# Altium PCB spin5v1_simple.PcbDoc (part 20 of 25) (continued)
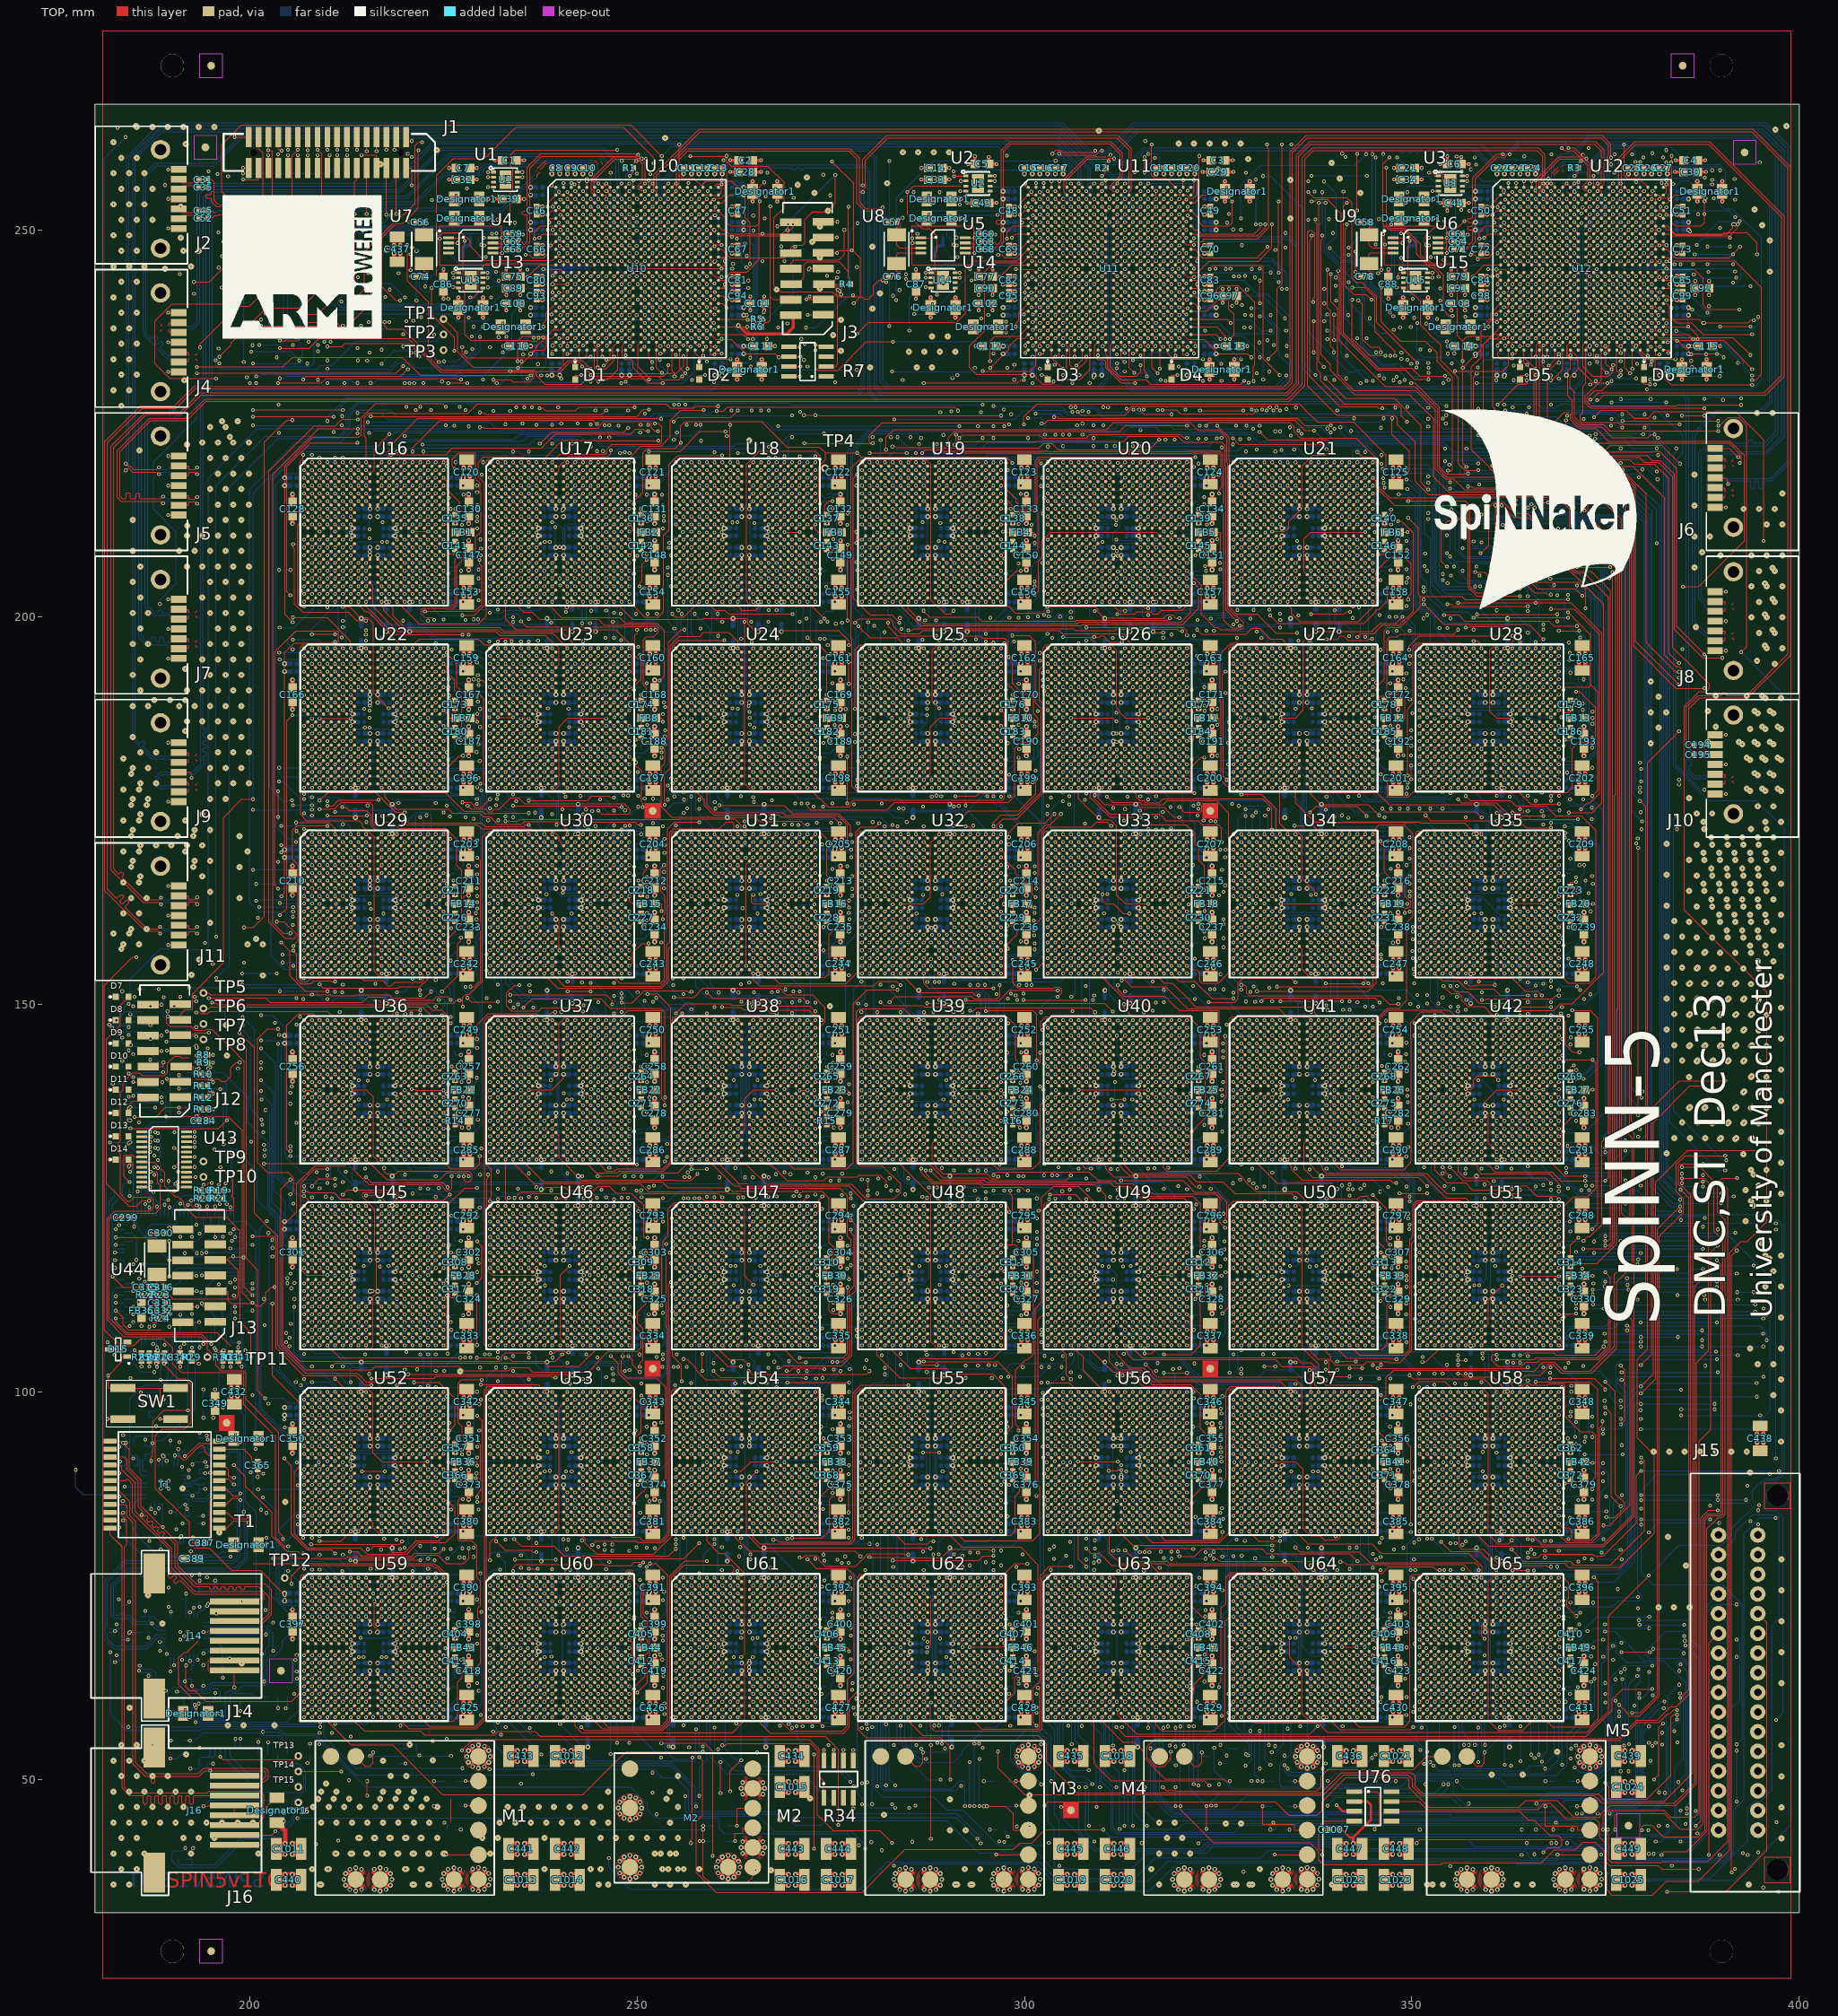
[diagram p0: TOP view]
## Nets (pads, with @x,y where several pads share a name; then routed paths per layer and width w, separated by ;. In a path a pad name is that pad's centre, name@x,y a point inside that pad or via, vN(x,y) a via of type N, cw(c..) or ccw(c..) an arc to the next point about the centre after c; other vN are vias at no path point) (continued)
  other v1: 218,62 219,62 220,62 221,62 242,62 243,62 244,62 245,62 266,62 267,62 268,62 269,62 290,62 291,62 292,62 293,62 314,62 315,62 316,62 317,62 338,62 339,62 340,62 341,62 362,62 363,62 364,62 365,62 218,63 219,63 220,63 221,63 242,63 243,63 244,63 245,63 266,63 267,63 268,63 269,63 290,63 291,63 292,63 293,63 314,63 315,63 316,63 317,63 338,63 339,63 340,63 341,63 362,63 363,63 364,63 365,63 219,64 220,64 221,64 243,64 244,64 245,64 267,64 268,64 269,64 291,64 292,64 293,64 315,64 316,64 317,64 339,64 340,64 341,64 363,64 364,64 365,64 211,65 212,65 213,65 235,65 236,65 237,65 259,65 260,65 261,65 283,65 284,65 285,65 307,65 308,65 309,65 331,65 332,65 333,65 355,65 356,65 357,65 197.371,65.592 219,69 220,69 221,69 243,69 244,69 245,69 267,69 268,69 269,69 291,69 292,69 293,69 315,69 316,69 317,69 339,69 340,69 341,69 363,69 364,69 365,69 211,70 212,70 213,70 235,70 236,70 237,70 259,70 260,70 261,70 283,70 284,70 285,70 307,70 308,70 309,70 331,70 332,70 333,70 355,70 356,70 357,70 211,71 212,71 213,71 214,71 235,71 236,71 237,71 238,71 259,71 260,71 261,71 262,71 283,71 284,71 285,71 286,71 307,71 308,71 309,71 310,71 331,71 332,71 333,71 334,71 355,71 356,71 357,71 358,71 211,72 212,72 213,72 214,72 235,72 236,72 237,72 238,72 259,72 260,72 261,72 262,72 283,72 284,72 285,72 286,72 307,72 308,72 309,72 310,72 331,72 332,72 333,72 334,72 355,72 356,72 357,72 358,72 219,73 218,86 219,86 220,86 221,86 242,86 243,86 244,86 245,86 266,86 267,86 268,86 269,86 290,86 291,86 292,86 293,86 314,86 315,86 316,86 317,86 338,86 339,86 340,86 341,86 362,86 363,86 364,86 365,86 218,87 219,87 220,87 221,87 242,87 243,87 244,87 245,87 266,87 267,87 268,87 269,87 290,87 291,87 292,87 293,87 314,87 315,87 316,87 317,87 338,87 339,87 340,87 341,87 362,87 363,87 364,87 365,87 219,88 220,88 221,88 243,88 244,88 245,88 267,88 268,88 269,88 291,88 292,88 293,88 315,88 316,88 317,88 339,88 340,88 341,88 363,88 364,88 365,88 211,89 212,89 213,89 235,89 236,89 237,89 259,89 260,89 261,89 283,89 284,89 285,89 307,89 308,89 309,89 331,89 332,89 333,89 355,89 356,89 357,89 219,93 220,93 221,93 243,93 244,93 245,93 267,93 268,93 269,93 291,93 292,93 293,93 315,93 316,93 317,93 339,93 340,93 341,93 363,93 364,93 365,93 211,94 212,94 213,94 235,94 236,94 237,94 259,94 260,94 261,94 283,94 284,94 285,94 307,94 308,94 309,94 331,94 332,94 333,94 355,94 356,94 357,94 211,95 212,95 213,95 214,95 235,95 236,95 237,95 238,95 259,95 260,95 261,95 262,95 283,95 284,95 285,95 286,95 307,95 308,95 309,95 310,95 331,95 332,95 333,95 334,95 355,95 356,95 357,95 358,95 211,96 212,96 213,96 214,96 235,96 236,96 237,96 238,96 259,96 260,96 261,96 262,96 283,96 284,96 285,96 286,96 307,96 308,96 309,96 310,96 331,96 332,96 333,96 334,96 355,96 356,96 357,96 358,96 218,110 219,110 220,110 221,110 242,110 243,110 244,110 245,110 266,110 267,110 268,110 269,110 290,110 291,110 292,110 293,110 314,110 315,110 316,110 317,110 338,110 339,110 340,110 341,110 362,110 363,110 364,110 365,110 218,111 219,111 220,111 221,111 242,111 243,111 244,111 245,111 266,111 267,111 268,111 269,111 290,111 291,111 292,111 293,111 314,111 315,111 316,111 317,111 338,111 339,111 340,111 341,111 362,111 363,111 364,111 365,111 219,112 220,112 221,112 243,112 244,112 245,112 267,112 268,112 269,112 291,112 292,112 293,112 315,112 316,112 317,112 339,112 340,112 341,112 363,112 364,112 365,112 211,113 212,113 213,113 235,113 236,113 237,113 259,113 260,113 261,113 283,113 284,113 285,113 307,113 308,113 309,113 331,113 332,113 333,113 355,113 356,113 357,113 219,117 220,117 221,117 243,117 244,117 245,117 267,117 268,117 269,117 291,117 292,117 293,117 315,117 316,117 317,117 339,117 340,117 341,117 363,117 364,117 365,117 211,118 212,118 213,118 235,118 236,118 237,118 259,118 260,118 261,118 283,118 284,118 285,118 307,118 308,118 309,118 331,118 332,118 333,118 355,118 356,118 357,118 211,119 212,119 213,119 214,119 235,119 236,119 237,119 238,119 259,119 260,119 261,119 262,119 283,119 284,119 285,119 286,119 307,119 308,119 309,119 310,119 331,119 332,119 333,119 334,119 355,119 356,119 357,119 358,119 211,120 212,120 213,120 214,120 235,120 236,120 237,120 238,120 259,120 260,120 261,120 262,120 283,120 284,120 285,120 286,120 307,120 308,120 309,120 310,120 331,120 332,120 333,120 334,120 355,120 356,120 357,120 358,120 188.129,128.908 188.129,129.908 188.129,131.408 188.129,132.408 188.129,133.408 218,134 219,134 220,134 221,134 242,134 243,134 244,134 245,134 266,134 267,134 268,134 269,134 290,134 291,134 292,134 293,134 314,134 315,134 316,134 317,134 338,134 339,134 340,134 341,134 362,134 363,134 364,134 365,134 218,135 219,135 220,135 221,135 242,135 243,135 244,135 245,135 266,135 267,135 268,135 269,135 290,135 291,135 292,135 293,135 314,135 315,135 316,135 317,135 338,135 339,135 340,135 341,135 362,135 363,135 364,135 365,135 219,136 220,136 221,136 243,136 244,136 245,136 267,136 268,136 269,136 291,136 292,136 293,136 315,136 316,136 317,136 339,136 340,136 341,136 363,136 364,136 365,136 211,137 212,137 213,137 235,137 236,137 237,137 259,137 260,137 261,137 283,137 284,137 285,137 307,137 308,137 309,137 331,137 332,137 333,137 355,137 356,137 357,137 219,141 220,141 221,141 243,141 244,141 245,141 267,141 268,141 269,141 291,141 292,141 293,141 315,141 316,141 317,141 339,141 340,141 341,141 363,141 364,141 365,141 211,142 212,142 213,142 235,142 236,142 237,142 259,142 260,142 261,142 283,142 284,142 285,142 307,142 308,142 309,142 331,142 332,142 333,142 355,142 356,142 357,142 211,143 212,143 213,143 214,143 235,143 236,143 237,143 238,143 259,143 260,143 261,143 262,143 283,143 284,143 285,143 286,143 307,143 308,143 309,143 310,143 331,143 332,143 333,143 334,143 355,143 356,143 357,143 358,143 211,144 212,144 213,144 214,144 235,144 236,144 237,144 238,144 259,144 260,144 261,144 262,144 283,144 284,144 285,144 286,144 307,144 308,144 309,144 310,144 331,144 332,144 333,144 334,144 355,144 356,144 357,144 358,144 218,158 219,158 220,158 221,158 242,158 243,158 244,158 245,158 266,158 267,158 268,158 269,158 290,158 291,158 292,158 293,158 314,158 315,158 316,158 317,158 338,158 339,158 340,158 341,158 362,158 363,158 364,158 365,158 218,159 219,159 220,159 221,159 242,159 243,159 244,159 245,159 266,159 267,159 268,159 269,159 290,159 291,159 292,159 293,159 314,159 315,159 316,159 317,159 338,159 339,159 340,159 341,159 362,159 363,159 364,159 365,159 219,160 220,160 221,160 243,160 244,160 245,160 267,160 268,160 269,160 291,160 292,160 293,160 315,160 316,160 317,160 339,160 340,160 341,160 363,160 364,160 365,160 211,161 212,161 213,161 235,161 236,161 237,161 259,161 260,161 261,161 283,161 284,161 285,161 307,161 308,161 309,161 331,161 332,161 333,161 355,161 356,161 357,161 219,165 220,165 221,165 243,165 244,165 245,165 267,165 268,165 269,165 291,165 292,165 293,165 315,165 316,165 317,165 339,165 340,165 341,165 363,165 364,165 365,165 211,166 212,166 213,166 235,166 236,166 237,166 259,166 260,166 261,166 283,166 284,166 285,166 307,166 308,166 309,166 331,166 332,166 333,166 355,166 356,166 357,166 211,167 212,167 213,167 214,167 235,167 236,167 237,167 238,167 259,167 260,167 261,167 262,167 283,167 284,167 285,167 286,167 307,167 308,167 309,167 310,167 331,167 332,167 333,167 334,167 355,167 356,167 357,167 358,167 211,168 212,168 213,168 214,168 235,168 236,168 237,168 238,168 259,168 260,168 261,168 262,168 283,168 284,168 285,168 286,168 307,168 308,168 309,168 310,168 331,168 332,168 333,168 334,168 355,168 356,168 357,168 358,168 218,182 219,182 220,182 221,182 242,182 243,182 244,182 245,182 266,182 267,182 268,182 269,182 290,182 291,182 292,182 293,182 314,182 315,182 316,182 317,182 338,182 339,182 340,182 341,182 362,182 363,182 364,182 365,182 218,183 219,183 220,183 221,183 242,183 243,183 244,183 245,183 266,183 267,183 268,183 269,183 290,183 291,183 292,183 293,183 314,183 315,183 316,183 317,183 338,183 339,183 340,183 341,183 362,183 363,183 364,183 365,183 219,184 220,184 221,184 243,184 244,184 245,184 267,184 268,184 269,184 291,184 292,184 293,184 315,184 316,184 317,184 339,184 340,184 341,184 363,184 364,184 365,184 211,185 212,185 213,185 235,185 236,185 237,185 259,185 260,185 261,185 283,185 284,185 285,185 307,185 308,185 309,185 331,185 332,185 333,185 355,185 356,185 357,185 219,189 220,189 221,189 243,189 244,189 245,189 267,189 268,189 269,189 291,189 292,189 293,189 315,189 316,189 317,189 339,189 340,189 341,189 363,189 364,189 365,189 211,190 212,190 213,190 235,190 236,190 237,190 259,190 260,190 261,190 283,190 284,190 285,190 307,190 308,190 309,190 331,190 332,190 333,190 355,190 356,190 357,190 211,191 212,191 213,191 214,191 235,191 236,191 237,191 238,191 259,191 260,191 261,191 262,191 283,191 284,191 285,191 286,191 307,191 308,191 309,191 310,191 331,191 332,191 333,191 334,191 355,191 356,191 357,191 358,191 211,192 212,192 213,192 214,192 235,192 236,192 237,192 238,192 259,192 260,192 261,192 262,192 283,192 284,192 285,192 286,192 307,192 308,192 309,192 310,192 331,192 332,192 333,192 334,192 355,192 356,192 357,192 358,192 218,206 219,206 220,206 221,206 242,206 243,206 244,206 245,206 266,206 267,206 268,206 269,206 290,206 291,206 292,206 293,206 314,206 315,206 316,206 317,206 338,206 339,206 340,206 341,206 218,207 219,207 220,207 221,207 242,207 243,207 244,207 245,207 266,207 267,207 268,207 269,207 290,207 291,207 292,207 293,207 314,207 315,207 316,207 317,207 338,207 339,207 340,207 341,207 219,208 220,208 221,208 243,208 244,208 245,208 267,208 268,208 269,208 291,208 292,208 293,208 315,208 316,208 317,208 339,208 340,208 341,208 211,209 212,209 213,209 235,209 236,209 237,209 259,209 260,209 261,209 283,209 284,209 285,209 307,209 308,209 309,209 331,209 332,209 333,209 219,213 220,213 221,213 243,213 244,213 245,213 267,213 268,213 269,213 291,213 292,213 293,213 315,213 316,213 317,213 339,213 340,213 341,213 211,214 212,214 213,214 235,214 236,214 237,214 259,214 260,214 261,214 283,214 284,214 285,214 307,214 308,214 309,214 331,214 332,214 333,214 211,215 212,215 213,215 214,215 235,215 236,215 237,215 238,215 259,215 260,215 261,215 262,215 283,215 284,215 285,215 286,215 307,215 308,215 309,215 310,215 331,215 332,215 333,215 334,215 211,216 212,216 213,216 214,216 235,216 236,216 237,216 238,216 259,216 260,216 261,216 262,216 283,216 284,216 285,216 286,216 307,216 308,216 309,216 310,216 331,216 332,216 333,216 334,216 375.297,230.23 376.801,231.092 375.2,231.554 376,232.554 373.951,232.954 370.5,233.826 375,234.065 372.951,234.901 378.931,234.901 373,236 243,237 304,237 365,237 373,237 246,238 251,238 255,238 307,238 312,238 316,238 368,238 373,238 377,238 243,239 257,239 304,239 318,239 365,239 379,239 247,240 252,240 308,240 313,240 369,240 374,240 243,243 257,243 304,243 318,243 365,243 379,243 245,246 255,246 260.07,246 306,246 316,246 367,246 377,246 382.07,246 243,248 257,248 304,248 318,248 365,248 379,248 248,250 253,250 259.916,250 309,250 314,250 370,250 375,250 381.916,250 242,251 244,251 303,251 305,251 364,251 366,251 256,252 258,252 317,252 319,252 378,252 380,252 242,255 256,255 258,255 303,255 318,255 319,255 364,255 380,255
  other v2: 336.515,35.578 335.759,35.781 337.271,35.781 337.824,36.334 338.027,37.09 337.824,37.846 335.759,38.399 337.271,38.399 336.515,38.602 243.624,54.143 254.624,54.143 266.624,54.143 290.624,54.143 314.624,54.143 338.624,54.143 362.624,54.143 243.624,57.957 254.624,57.957 266.624,57.957 290.624,57.957 314.624,57.957 338.624,57.957 362.624,57.957 227.51,58 251.51,58 275.51,58 299.51,58 323.51,58 347.51,58 371.51,58 227.6,58.757 228.4,58.757 251.6,58.757 252.4,58.757 275.6,58.757 276.4,58.757 299.6,58.757 300.4,58.757 323.6,58.757 324.4,58.757 347.6,58.757 348.4,58.757 371.6,58.757 372.4,58.757 227.51,59 251.51,59 275.51,59 299.51,59 323.51,59 347.51,59 371.51,59 218.76,66.5 242.76,66.5 285.24,66.5 290.76,66.5 309.24,66.5 314.76,66.5 333.24,66.5 338.76,66.5 362.76,66.5 213.24,67.5 237.24,67.5 261.24,67.5 285.24,67.5 290.76,67.5 309.24,67.5 314.76,67.5 333.24,67.5 357.24,67.5 264.49,70 227.51,73 251.51,73 275.51,73 299.51,73 323.51,73 347.51,73 204.49,74 227.51,74 251.51,74 275.51,74 299.51,74 323.51,74 347.51,74 218.376,76.043 242.376,76.043 266.376,76.043 290.376,76.043 314.376,76.043 338.376,76.043 358.376,76.043 213.624,78.143 237.624,78.143 261.624,78.143 285.624,78.143 309.624,78.143 333.624,78.143 361.624,78.143 218.376,79.857 242.376,79.857 266.376,79.857 290.376,79.857 314.376,79.857 338.376,79.857 358.376,79.857 213.624,81.957 237.624,81.957 261.624,81.957 285.624,81.957 309.624,81.957 333.624,81.957 361.624,81.957 227.51,82 251.51,82 275.51,82 299.51,82 323.51,82 347.51,82 371.51,82 227.6,82.757 228.4,82.757 251.6,82.757 252.4,82.757 275.6,82.757 276.4,82.757 299.6,82.757 300.4,82.757 323.6,82.757 324.4,82.757 347.6,82.757 348.4,82.757 371.6,82.757 372.4,82.757 227.51,83 251.51,83 275.51,83 299.51,83 323.51,83 347.51,83 371.51,83 213.24,90.5 218.76,90.5 242.76,90.5 266.76,90.5 290.76,90.5 314.76,90.5 338.76,90.5 362.76,90.5 213.24,91.5 218.76,91.5 237.24,91.5 242.76,91.5 261.24,91.5 285.24,91.5 290.76,91.5 309.24,91.5 314.76,91.5 333.24,91.5 357.24,91.5 362.76,91.5 227.51,97 251.51,97 275.51,97 299.51,97 323.51,97 347.51,97 204.49,98 227.51,98 251.51,98 275.51,98 299.51,98 323.51,98 347.51,98 214.376,100.043 238.376,100.043 262.376,100.043 286.376,100.043 310.376,100.043 334.376,100.043 362.376,100.043 217.624,102.143 241.624,102.143 265.624,102.143 289.624,102.143 313.624,102.143 337.624,102.143 357.624,102.143 214.376,103.857 238.376,103.857 262.376,103.857 286.376,103.857 310.376,103.857 334.376,103.857 362.376,103.857 217.624,105.957 241.624,105.957 265.624,105.957 289.624,105.957 313.624,105.957 337.624,105.957 357.624,105.957 227.51,106 251.51,106 275.51,106 299.51,106 323.51,106 347.51,106 371.51,106 227.6,106.757 228.4,106.757 251.6,106.757 252.4,106.757 275.6,106.757 276.4,106.757 299.6,106.757 300.4,106.757 323.6,106.757 324.4,106.757 347.6,106.757 348.4,106.757 371.6,106.757 372.4,106.757 227.51,107 251.51,107 275.51,107 299.51,107 323.51,107 347.51,107 371.51,107 213.24,114.5 218.76,114.5 242.76,114.5 261.24,114.5 266.76,114.5 290.76,114.5 309.24,114.5 314.76,114.5 333.24,114.5 338.76,114.5 357.24,114.5 362.76,114.5 213.24,115.5 237.24,115.5 261.24,115.5 285.24,115.5 290.76,115.5 309.24,115.5 333.24,115.5 338.76,115.5 357.24,115.5 204.49,121 227.51,121 251.51,121 275.51,121 299.51,121 323.51,121 347.51,121 204.49,122 227.51,122 251.51,122 275.51,122 299.51,122 323.51,122 347.51,122 218.376,124.043 242.376,124.043 266.376,124.043 290.376,124.043 314.376,124.043 338.376,124.043 358.376,124.043 213.624,126.143 237.624,126.143 261.624,126.143 285.624,126.143 309.624,126.143 333.624,126.143 361.624,126.143 218.376,127.857 242.376,127.857 266.376,127.857 290.376,127.857 314.376,127.857 338.376,127.857 358.376,127.857 213.624,129.957 237.624,129.957 261.624,129.957 285.624,129.957 309.624,129.957 333.624,129.957 361.624,129.957 227.51,130 251.51,130 275.51,130 299.51,130 323.51,130 347.51,130 371.51,130 227.6,130.757 228.4,130.757 251.6,130.757 252.4,130.757 275.6,130.757 276.4,130.757 299.6,130.757 300.4,130.757 323.6,130.757 324.4,130.757 347.6,130.757 348.4,130.757 371.6,130.757 372.4,130.757 227.51,131 251.51,131 275.51,131 299.51,131 323.51,131 347.51,131 371.51,131 213.24,138.5 218.76,138.5 237.24,138.5 242.76,138.5 266.76,138.5 290.76,138.5 314.76,138.5 338.76,138.5 362.76,138.5 213.24,139.5 237.24,139.5 261.24,139.5 285.24,139.5 290.76,139.5 309.24,139.5 333.24,139.5 357.24,139.5 204.49,145 227.51,145 251.51,145 275.51,145 299.51,145 323.51,145 347.51,145 204.49,146 227.51,146 251.51,146 275.51,146 299.51,146 323.51,146 347.51,146 214.376,148.043 238.376,148.043 262.376,148.043 286.376,148.043 310.376,148.043 334.376,148.043 362.376,148.043 217.624,150.143 241.624,150.143 265.624,150.143 289.624,150.143 313.624,150.143 337.624,150.143 357.624,150.143 214.376,151.857 238.376,151.857 262.376,151.857 286.376,151.857 310.376,151.857 334.376,151.857 362.376,151.857 217.624,153.957 241.624,153.957 265.624,153.957 289.624,153.957 313.624,153.957 337.624,153.957 357.624,153.957 227.51,154 251.51,154 275.51,154 299.51,154 323.51,154 347.51,154 371.51,154 227.6,154.757 228.4,154.757 251.6,154.757 252.4,154.757 275.6,154.757 276.4,154.757 299.6,154.757 300.4,154.757 323.6,154.757 324.4,154.757 347.6,154.757 348.4,154.757 371.6,154.757 372.4,154.757 227.51,155 251.51,155 275.51,155 299.51,155 323.51,155 347.51,155 371.51,155 213.24,162.5 218.76,162.5 242.76,162.5 266.76,162.5 285.24,162.5 290.76,162.5 309.24,162.5 314.76,162.5 333.24,162.5 338.76,162.5 357.24,162.5 362.76,162.5 213.24,163.5 237.24,163.5 261.24,163.5 266.76,163.5 285.24,163.5 309.24,163.5 314.76,163.5 333.24,163.5 357.24,163.5 362.76,163.5 204.49,169 227.51,169 251.51,169 275.51,169 299.51,169 323.51,169 347.51,169 204.49,170 227.51,170 251.51,170 275.51,170 299.51,170 323.51,170 347.51,170 218.376,172.043 242.376,172.043 266.376,172.043 290.376,172.043 314.376,172.043 338.376,172.043 358.376,172.043 213.624,174.143 237.624,174.143 261.624,174.143 285.624,174.143 309.624,174.143 333.624,174.143 361.624,174.143 218.376,175.857 242.376,175.857 266.376,175.857 290.376,175.857 314.376,175.857 338.376,175.857 358.376,175.857 213.624,177.957 237.624,177.957 261.624,177.957 285.624,177.957 309.624,177.957 333.624,177.957 361.624,177.957 227.51,178 251.51,178 275.51,178 299.51,178 323.51,178 347.51,178 371.51,178 227.6,178.757 228.4,178.757 251.6,178.757 252.4,178.757 275.6,178.757 276.4,178.757 299.6,178.757 300.4,178.757 323.6,178.757 324.4,178.757 347.6,178.757 348.4,178.757 371.6,178.757 372.4,178.757 227.51,179 251.51,179 275.51,179 299.51,179 323.51,179 347.51,179 371.51,179 213.24,186.5 218.76,186.5 242.76,186.5 266.76,186.5 290.76,186.5 309.24,186.5 314.76,186.5 333.24,186.5 338.76,186.5 362.76,186.5 213.24,187.5 218.76,187.5 237.24,187.5 261.24,187.5 285.24,187.5 290.76,187.5 309.24,187.5 333.24,187.5 357.24,187.5 204.49,193 227.51,193 251.51,193 275.51,193 299.51,193 323.51,193 347.51,193 204.49,194 227.51,194 251.51,194 275.51,194 299.51,194 323.51,194 347.51,194 214.376,196.043 238.376,196.043 262.376,196.043 286.376,196.043 310.376,196.043 334.376,196.043 362.376,196.043 217.624,198.143 220.624,198.143 241.624,198.143 244.624,198.143 265.624,198.143 268.624,198.143 289.624,198.143 292.624,198.143 313.624,198.143 316.624,198.143 337.624,198.143 340.624,198.143 214.376,199.857 238.376,199.857 262.376,199.857 286.376,199.857 310.376,199.857 334.376,199.857 362.376,199.857 217.624,201.957 220.624,201.957 241.624,201.957 244.624,201.957 265.624,201.957 268.624,201.957 289.624,201.957 292.624,201.957 313.624,201.957 316.624,201.957 337.624,201.957 340.624,201.957 227.51,202 251.51,202 275.51,202 299.51,202 323.51,202 347.51,202 227.6,202.757 228.4,202.757 251.6,202.757 252.4,202.757 275.6,202.757 276.4,202.757 299.6,202.757 300.4,202.757 323.6,202.757 324.4,202.757 347.6,202.757 348.4,202.757 227.51,203 251.51,203 275.51,203 299.51,203 323.51,203 347.51,203 218.76,210.5 242.76,210.5 266.76,210.5 290.76,210.5 309.24,210.5 314.76,210.5 333.24,210.5 338.76,210.5 213.24,211.5 218.76,211.5 237.24,211.5 261.24,211.5 266.76,211.5 285.24,211.5 290.76,211.5 309.24,211.5 333.24,211.5 204.49,217 227.51,217 251.51,217 275.51,217 299.51,217 323.51,217 204.49,218 227.51,218 251.51,218 275.51,218 299.51,218 323.51,218 239,231.24 240,231.24 248,231.24 249,231.24 260,231.24 300,231.24 301,231.24 309,231.24 310,231.24 321,231.24 361,231.24 362,231.24 370,231.24 371,231.24 382,231.24 383,231.24 263.76,234 324.76,234 385.76,234 236.24,235 297.24,235 324.76,235 358.24,235 263.76,239 324.76,239 385.76,239 236.24,240 297.24,240 358.24,240 385.76,240 236.24,250 263.76,250 297.24,250 324.76,250 358.24,250 385.76,250 236.24,251 263.76,251 297.24,251 358.24,251 297.24,254 324.76,254 358.24,254 385.76,254 236.24,254.5 263.76,254.5 297.24,255 358.24,255 236.24,255.5 263.76,255.5
V25: C61.1 C72.1 C73.1 C79.1 C91.1 C92.1 C98.1 C99.1 R37.1 U6.8 U12.F11 U12.G12 U12.H9 U12.H15 U12.K15 U12.L8 U12.M15 U12.N8 U12.R6 U12.R10 U12.R12 U12.U11 U12.V6 U15.7 U15.8 | length 10.2
  TOP w0.127: U15.7@352.05,243.825 v1(352.675,243.825) ; U15.8@352.05,244.475 v1(352.675,244.475) ; U6.8@353.375,248.975 v1(354.556,248.975)
  TOP w0.2: v1(354.758,249.6) 354.8,249.6 354.9,249.5 C61.1@355.47,249.5
  TOP w0.4: v1(356.9,241.6) C91.1@356.9,242.5 ; C79.1@356.9,244 v1(356.9,245) ; v1(386.6,241.6) C92.1@386.6,242.5 v1(386.6,243.4)
  TOP w0.6: v1(352.1,238.7) 352.1,240 v1(352.1,241.3)
  TOP w0.61: v2(359.76,241) v2@359.762,241 ; v2(359.76,247) v2@359.762,247 ; v2@384.238,242 v2(384.24,242) ; v2@384.238,248 v2(384.24,248)
  BOTTOM w0.127: 351.53,249 v1(352.232,249)
  other v1: 366,238 371,239 366,241 370,241 373,241 368,243 376,244 368,246 376,247 351.871,248.092 369,249 376,249 373,250 371,251
V25_3: C60.1 C69.1 C70.1 C77.1 C90.1 C95.1 C96.1 C97.1 R38.1 U5.8 U11.F11 U11.G12 U11.H9 U11.H15 U11.K15 U11.L8 U11.M15 U11.N8 U11.R6 U11.R10 U11.R12 U11.U11 U11.V6 U14.7 U14.8 | length 13.3
  TOP w0.127: U14.7@291.05,243.825 v1(291.675,243.825) ; U14.8@291.05,244.475 v1(291.675,244.475) ; U5.8@292.375,248.975 v1(293.556,248.975)
  TOP w0.2: v1(293.758,249.6) 293.8,249.6 293.9,249.5 C60.1@294.47,249.5
  TOP w0.4: v1(295.9,241.6) C90.1@295.9,242.5 ; C77.1@295.9,244 v1(295.9,245) ; v1(325.6,240.6) C97.1@325.6,241.5 v1(325.6,242.4)
  TOP w0.6: v1(291.1,238.7) 291.1,240 v1(291.1,241.3)
  TOP w0.61: v2(298.76,241) v2@298.762,241 ; v2(298.76,247) v2@298.762,247 ; v2@323.238,242 v2(323.24,242) ; v2@323.238,248 v2(323.24,248)
  BOTTOM w0.127: 290.53,249 290.004,249 290.004,249.888 290.401,250.285 290.835,250.285 291.232,249.888 v1(291.232,249.02)
  other v1: 305,238 310,239 305,241 309,241 312,241 307,243 315,244 307,246 315,247 290.871,248.092 308,249 315,249 312,250 310,251
V25_4: C59.1 C66.1 C67.1 C75.1 C89.1 C93.1 C94.1 C101.1 J3.2 R5.1 R6.1 R39.1 U4.8 U10.F11 U10.G12 U10.H9 U10.H15 U10.K15 U10.L8 U10.M15 U10.N8 U10.R6 U10.R10 U10.R12 U10.U11 U10.V6 U13.7 U13.8 | length 21.4
  TOP w0.127: U13.7@230.05,243.825 v1(230.675,243.825) ; U13.8@230.05,244.475 v1(230.675,244.475) ; U4.8@231.375,248.975 v1(232.556,248.975) ; v1(264.211,237.5) R6.1@264.97,237.5 ; v1(264.268,238.387) 264.97,238.387 R5.1@264.97,238.5
  TOP w0.2: v1(232.758,249.6) 232.8,249.6 232.9,249.5 C59.1@233.47,249.5
  TOP w0.4: v1(234.9,241.6) C89.1@234.9,242.5 ; C75.1@234.9,244 v1(234.9,245) ; v2(263.058,237.681) 264.175,236.564 269.307,236.564 270.148,237.405 270.148,238.692 J3.2@269.84,239 ; v1(264.6,239.6) C101.1@264.6,240.5 v1(264.6,241.4)
  TOP w0.6: v1(230.1,238.7) 230.1,240 v1(230.1,241.3)
  TOP w0.61: v2(237.76,241) v2@237.762,241 ; v2(237.76,247) v2@237.762,247 ; v2@262.238,242 v2(262.24,242) ; v2@262.238,248 v2(262.24,248)
  BOTTOM w0.127: 229.53,249 v1(230.232,249)
  other v1: 244,238 249,239 266.371,239.408 244,241 248,241 251,241 246,243 254,244 246,246 254,247 229.871,248.092 247,249 254,249 251,250 249,251
V25_ICS: C462.1 C465.1 R37.2 U6.1 | length 3.3
  BOTTOM w0.4: 349.6,246.5 349.5,246.6 349.5,247.6 349.9,248 350.47,248 350.47,249
V25_ICS_1: C464.1 C467.1 R39.2 U4.1 | length 3.3
  BOTTOM w0.4: 227.6,246.5 227.5,246.6 227.5,247.6 227.9,248 228.47,248 228.47,249
V25_ICS_2: C463.1 C466.1 R38.2 U5.1 | length 3.3
  BOTTOM w0.4: 288.6,246.5 288.5,246.6 288.5,247.6 288.9,248 289.47,248 289.47,249

## Text inside footprints (layer, text, board x,y; h text height)
C803: PIN_NUMBER "1" at 309.72,117.23 h0.8 r180; PIN_NUMBER "2" at 309.66,118.38 h0.8 r180
C804: PIN_NUMBER "1" at 289,117.77 h0.8; PIN_NUMBER "2" at 289.06,116.62 h0.8
C805: PIN_NUMBER "1" at 285.72,117.23 h0.8 r180; PIN_NUMBER "2" at 285.66,118.38 h0.8 r180
C806: PIN_NUMBER "1" at 265,117.77 h0.8; PIN_NUMBER "2" at 265.06,116.62 h0.8
C807: PIN_NUMBER "1" at 261.72,117.23 h0.8 r180; PIN_NUMBER "2" at 261.66,118.38 h0.8 r180
C808: PIN_NUMBER "1" at 241,117.77 h0.8; PIN_NUMBER "2" at 241.06,116.62 h0.8
C809: PIN_NUMBER "1" at 237.72,117.23 h0.8 r180; PIN_NUMBER "2" at 237.66,118.38 h0.8 r180
C810: PIN_NUMBER "1" at 217,117.77 h0.8; PIN_NUMBER "2" at 217.06,116.62 h0.8
C811: PIN_NUMBER "1" at 213.72,117.23 h0.8 r180; PIN_NUMBER "2" at 213.66,118.38 h0.8 r180
C812: PIN_NUMBER "1" at 360.97,114.73 h0.8 r180; PIN_NUMBER "2" at 360.91,115.88 h0.8 r180
C813: PIN_NUMBER "1" at 357.75,115.27 h0.8; PIN_NUMBER "2" at 357.81,114.12 h0.8
C814: PIN_NUMBER "1" at 336.97,114.73 h0.8 r180; PIN_NUMBER "2" at 336.91,115.88 h0.8 r180
C815: PIN_NUMBER "1" at 333.75,115.27 h0.8; PIN_NUMBER "2" at 333.81,114.12 h0.8
C816: PIN_NUMBER "1" at 312.97,114.73 h0.8 r180; PIN_NUMBER "2" at 312.91,115.88 h0.8 r180
C817: PIN_NUMBER "1" at 309.75,115.27 h0.8; PIN_NUMBER "2" at 309.81,114.12 h0.8
C818: PIN_NUMBER "1" at 288.97,114.73 h0.8 r180; PIN_NUMBER "2" at 288.91,115.88 h0.8 r180
C819: PIN_NUMBER "1" at 285.75,115.27 h0.8; PIN_NUMBER "2" at 285.81,114.12 h0.8
C820: PIN_NUMBER "1" at 264.97,114.73 h0.8 r180; PIN_NUMBER "2" at 264.91,115.88 h0.8 r180
C821: PIN_NUMBER "1" at 261.75,115.27 h0.8; PIN_NUMBER "2" at 261.81,114.12 h0.8
C822: PIN_NUMBER "1" at 240.97,114.73 h0.8 r180; PIN_NUMBER "2" at 240.91,115.88 h0.8 r180
C823: PIN_NUMBER "1" at 237.75,115.27 h0.8; PIN_NUMBER "2" at 237.81,114.12 h0.8
C824: PIN_NUMBER "1" at 216.97,114.73 h0.8 r180; PIN_NUMBER "2" at 216.91,115.88 h0.8 r180
C825: PIN_NUMBER "1" at 213.75,115.27 h0.8; PIN_NUMBER "2" at 213.81,114.12 h0.8
C826: PIN_NUMBER "1" at 361,112.77 h0.8; PIN_NUMBER "2" at 361.06,111.62 h0.8
C827: PIN_NUMBER "1" at 357.72,112.23 h0.8 r180; PIN_NUMBER "2" at 357.66,113.38 h0.8 r180
C828: PIN_NUMBER "1" at 337,112.77 h0.8; PIN_NUMBER "2" at 337.06,111.62 h0.8
C829: PIN_NUMBER "1" at 333.72,112.23 h0.8 r180; PIN_NUMBER "2" at 333.66,113.38 h0.8 r180
C830: PIN_NUMBER "1" at 313,112.77 h0.8; PIN_NUMBER "2" at 313.06,111.62 h0.8
C831: PIN_NUMBER "1" at 309.72,112.23 h0.8 r180; PIN_NUMBER "2" at 309.66,113.38 h0.8 r180
C832: PIN_NUMBER "1" at 289,112.77 h0.8; PIN_NUMBER "2" at 289.06,111.62 h0.8
C833: PIN_NUMBER "1" at 285.72,112.23 h0.8 r180; PIN_NUMBER "2" at 285.66,113.38 h0.8 r180
C834: PIN_NUMBER "1" at 265,112.77 h0.8; PIN_NUMBER "2" at 265.06,111.62 h0.8
C835: PIN_NUMBER "1" at 261.72,112.23 h0.8 r180; PIN_NUMBER "2" at 261.66,113.38 h0.8 r180
C836: PIN_NUMBER "1" at 241,112.77 h0.8; PIN_NUMBER "2" at 241.06,111.62 h0.8
C837: PIN_NUMBER "1" at 237.72,112.23 h0.8 r180; PIN_NUMBER "2" at 237.66,113.38 h0.8 r180
C838: PIN_NUMBER "1" at 217,112.77 h0.8; PIN_NUMBER "2" at 217.06,111.62 h0.8
C839: PIN_NUMBER "1" at 213.72,112.23 h0.8 r180; PIN_NUMBER "2" at 213.66,113.38 h0.8 r180
C840: PIN_NUMBER "1" at 369.72,106.23 h0.8 r180; PIN_NUMBER "2" at 369.66,107.38 h0.8 r180
C841: PIN_NUMBER "1" at 345.72,106.23 h0.8 r180; PIN_NUMBER "2" at 345.66,107.38 h0.8 r180
C842: PIN_NUMBER "1" at 321.72,106.23 h0.8 r180; PIN_NUMBER "2" at 321.66,107.38 h0.8 r180
C843: PIN_NUMBER "1" at 297.72,106.23 h0.8 r180; PIN_NUMBER "2" at 297.66,107.38 h0.8 r180
C844: PIN_NUMBER "1" at 273.72,106.23 h0.8 r180; PIN_NUMBER "2" at 273.66,107.38 h0.8 r180
C845: PIN_NUMBER "1" at 249.72,106.23 h0.8 r180; PIN_NUMBER "2" at 249.66,107.38 h0.8 r180
C846: PIN_NUMBER "1" at 225.72,106.23 h0.8 r180; PIN_NUMBER "2" at 225.66,107.38 h0.8 r180
C847: PIN_NUMBER "1" at 357.98,103.9 h0.8; PIN_NUMBER "2" at 358.01,102.1 h0.8
C848: PIN_NUMBER "1" at 337.98,103.9 h0.8; PIN_NUMBER "2" at 338.01,102.1 h0.8
C849: PIN_NUMBER "1" at 313.98,103.9 h0.8; PIN_NUMBER "2" at 314.01,102.1 h0.8
C850: PIN_NUMBER "1" at 289.98,103.9 h0.8; PIN_NUMBER "2" at 290.01,102.1 h0.8
C851: PIN_NUMBER "1" at 265.98,103.9 h0.8; PIN_NUMBER "2" at 266.01,102.1 h0.8
C852: PIN_NUMBER "1" at 241.98,103.9 h0.8; PIN_NUMBER "2" at 242.01,102.1 h0.8
C853: PIN_NUMBER "1" at 217.98,103.9 h0.8; PIN_NUMBER "2" at 218.01,102.1 h0.8
C854: PIN_NUMBER "1" at 360.74,102.1 h0.8 r180; PIN_NUMBER "2" at 360.71,103.9 h0.8 r180
C855: PIN_NUMBER "1" at 332.74,102.1 h0.8 r180; PIN_NUMBER "2" at 332.71,103.9 h0.8 r180
C856: PIN_NUMBER "1" at 308.74,102.1 h0.8 r180; PIN_NUMBER "2" at 308.71,103.9 h0.8 r180
C857: PIN_NUMBER "1" at 284.74,102.1 h0.8 r180; PIN_NUMBER "2" at 284.71,103.9 h0.8 r180
C858: PIN_NUMBER "1" at 260.74,102.1 h0.8 r180; PIN_NUMBER "2" at 260.71,103.9 h0.8 r180
C859: PIN_NUMBER "1" at 236.74,102.1 h0.8 r180; PIN_NUMBER "2" at 236.71,103.9 h0.8 r180
C860: PIN_NUMBER "1" at 212.74,102.1 h0.8 r180; PIN_NUMBER "2" at 212.71,103.9 h0.8 r180
C861: PIN_NUMBER "1" at 193.98,99.4 h0.8; PIN_NUMBER "2" at 194.01,97.6 h0.8
C862: PIN_NUMBER "1" at 182.96,99.12 h0.8 r90; PIN_NUMBER "2" at 184.76,99.15 h0.8 r90
C863: PIN_NUMBER "1" at 345.72,97.23 h0.8 r180; PIN_NUMBER "2" at 345.66,98.38 h0.8 r180
C864: PIN_NUMBER "1" at 321.72,97.23 h0.8 r180; PIN_NUMBER "2" at 321.66,98.38 h0.8 r180
C865: PIN_NUMBER "1" at 297.72,97.23 h0.8 r180; PIN_NUMBER "2" at 297.66,98.38 h0.8 r180
C866: PIN_NUMBER "1" at 273.72,97.23 h0.8 r180; PIN_NUMBER "2" at 273.66,98.38 h0.8 r180
C867: PIN_NUMBER "1" at 249.72,97.23 h0.8 r180; PIN_NUMBER "2" at 249.66,98.38 h0.8 r180
C868: PIN_NUMBER "1" at 225.72,97.23 h0.8 r180; PIN_NUMBER "2" at 225.66,98.38 h0.8 r180
C869: PIN_NUMBER "1" at 205,97.77 h0.8; PIN_NUMBER "2" at 205.06,96.62 h0.8
C870: PIN_NUMBER "1" at 361,93.77 h0.8; PIN_NUMBER "2" at 361.06,92.62 h0.8
C871: PIN_NUMBER "1" at 357.72,93.23 h0.8 r180; PIN_NUMBER "2" at 357.66,94.38 h0.8 r180
C872: PIN_NUMBER "1" at 337,93.77 h0.8; PIN_NUMBER "2" at 337.06,92.62 h0.8
C873: PIN_NUMBER "1" at 333.72,93.23 h0.8 r180; PIN_NUMBER "2" at 333.66,94.38 h0.8 r180
C874: PIN_NUMBER "1" at 313,93.77 h0.8; PIN_NUMBER "2" at 313.06,92.62 h0.8
C875: PIN_NUMBER "1" at 309.72,93.23 h0.8 r180; PIN_NUMBER "2" at 309.66,94.38 h0.8 r180
C876: PIN_NUMBER "1" at 289,93.77 h0.8; PIN_NUMBER "2" at 289.06,92.62 h0.8
C877: PIN_NUMBER "1" at 285.72,93.23 h0.8 r180; PIN_NUMBER "2" at 285.66,94.38 h0.8 r180
C878: PIN_NUMBER "1" at 265,93.77 h0.8; PIN_NUMBER "2" at 265.06,92.62 h0.8
C879: PIN_NUMBER "1" at 261.72,93.23 h0.8 r180; PIN_NUMBER "2" at 261.66,94.38 h0.8 r180
C880: PIN_NUMBER "1" at 241,93.77 h0.8; PIN_NUMBER "2" at 241.06,92.62 h0.8
C881: PIN_NUMBER "1" at 237.72,93.23 h0.8 r180; PIN_NUMBER "2" at 237.66,94.38 h0.8 r180
C882: PIN_NUMBER "1" at 217,93.77 h0.8; PIN_NUMBER "2" at 217.06,92.62 h0.8
C883: PIN_NUMBER "1" at 213.72,93.23 h0.8 r180; PIN_NUMBER "2" at 213.66,94.38 h0.8 r180
C884: PIN_NUMBER "1" at 360.97,90.73 h0.8 r180; PIN_NUMBER "2" at 360.91,91.88 h0.8 r180
C885: PIN_NUMBER "1" at 357.75,91.27 h0.8; PIN_NUMBER "2" at 357.81,90.12 h0.8
C886: PIN_NUMBER "1" at 336.97,90.73 h0.8 r180; PIN_NUMBER "2" at 336.91,91.88 h0.8 r180
C887: PIN_NUMBER "1" at 333.75,91.27 h0.8; PIN_NUMBER "2" at 333.81,90.12 h0.8
C888: PIN_NUMBER "1" at 312.97,90.73 h0.8 r180; PIN_NUMBER "2" at 312.91,91.88 h0.8 r180
C889: PIN_NUMBER "1" at 309.75,91.27 h0.8; PIN_NUMBER "2" at 309.81,90.12 h0.8
C890: PIN_NUMBER "1" at 288.97,90.73 h0.8 r180; PIN_NUMBER "2" at 288.91,91.88 h0.8 r180
C891: PIN_NUMBER "1" at 285.75,91.27 h0.8; PIN_NUMBER "2" at 285.81,90.12 h0.8
C892: PIN_NUMBER "1" at 264.97,90.73 h0.8 r180; PIN_NUMBER "2" at 264.91,91.88 h0.8 r180
C893: PIN_NUMBER "1" at 261.75,91.27 h0.8; PIN_NUMBER "2" at 261.81,90.12 h0.8
C894: PIN_NUMBER "1" at 240.97,90.73 h0.8 r180; PIN_NUMBER "2" at 240.91,91.88 h0.8 r180
C895: PIN_NUMBER "1" at 237.75,91.27 h0.8; PIN_NUMBER "2" at 237.81,90.12 h0.8
C896: PIN_NUMBER "1" at 216.97,90.73 h0.8 r180; PIN_NUMBER "2" at 216.91,91.88 h0.8 r180
C897: PIN_NUMBER "1" at 213.75,91.27 h0.8; PIN_NUMBER "2" at 213.81,90.12 h0.8
C898: PIN_NUMBER "1" at 184.13,90.11 h0.8 r270; PIN_NUMBER "2" at 182.98,90.05 h0.8 r270
C899: PIN_NUMBER "1" at 361,88.77 h0.8; PIN_NUMBER "2" at 361.06,87.62 h0.8
C900: PIN_NUMBER "1" at 357.72,88.23 h0.8 r180; PIN_NUMBER "2" at 357.66,89.38 h0.8 r180
C901: PIN_NUMBER "1" at 337,88.77 h0.8; PIN_NUMBER "2" at 337.06,87.62 h0.8
C902: PIN_NUMBER "1" at 333.72,88.23 h0.8 r180; PIN_NUMBER "2" at 333.66,89.38 h0.8 r180
C903: PIN_NUMBER "1" at 313,88.77 h0.8; PIN_NUMBER "2" at 313.06,87.62 h0.8
C904: PIN_NUMBER "1" at 309.72,88.23 h0.8 r180; PIN_NUMBER "2" at 309.66,89.38 h0.8 r180
C905: PIN_NUMBER "1" at 289,88.77 h0.8; PIN_NUMBER "2" at 289.06,87.62 h0.8
C906: PIN_NUMBER "1" at 285.72,88.23 h0.8 r180; PIN_NUMBER "2" at 285.66,89.38 h0.8 r180
C907: PIN_NUMBER "1" at 265,88.77 h0.8; PIN_NUMBER "2" at 265.06,87.62 h0.8
C908: PIN_NUMBER "1" at 261.72,88.23 h0.8 r180; PIN_NUMBER "2" at 261.66,89.38 h0.8 r180
C909: PIN_NUMBER "1" at 241,88.77 h0.8; PIN_NUMBER "2" at 241.06,87.62 h0.8
C910: PIN_NUMBER "1" at 237.72,88.23 h0.8 r180; PIN_NUMBER "2" at 237.66,89.38 h0.8 r180
C911: PIN_NUMBER "1" at 217,88.77 h0.8; PIN_NUMBER "2" at 217.06,87.62 h0.8
C912: PIN_NUMBER "1" at 213.72,88.23 h0.8 r180; PIN_NUMBER "2" at 213.66,89.38 h0.8 r180
C913: PIN_NUMBER "1" at 190.25,83.77 h0.8; PIN_NUMBER "2" at 190.31,82.62 h0.8
C914: PIN_NUMBER "1" at 191.84,83.39 h0.8 r90; PIN_NUMBER "2" at 192.99,83.45 h0.8 r90
C915: PIN_NUMBER "1" at 369.72,82.23 h0.8 r180; PIN_NUMBER "2" at 369.66,83.38 h0.8 r180
C916: PIN_NUMBER "1" at 345.72,82.23 h0.8 r180; PIN_NUMBER "2" at 345.66,83.38 h0.8 r180
C917: PIN_NUMBER "1" at 321.72,82.23 h0.8 r180; PIN_NUMBER "2" at 321.66,83.38 h0.8 r180
C918: PIN_NUMBER "1" at 297.72,82.23 h0.8 r180; PIN_NUMBER "2" at 297.66,83.38 h0.8 r180
C919: PIN_NUMBER "1" at 273.72,82.23 h0.8 r180; PIN_NUMBER "2" at 273.66,83.38 h0.8 r180
C920: PIN_NUMBER "1" at 249.72,82.23 h0.8 r180; PIN_NUMBER "2" at 249.66,83.38 h0.8 r180
C921: PIN_NUMBER "1" at 225.72,82.23 h0.8 r180; PIN_NUMBER "2" at 225.66,83.38 h0.8 r180
C922: PIN_NUMBER "1" at 186.75,82.27 h0.8; PIN_NUMBER "2" at 186.81,81.12 h0.8
C923: PIN_NUMBER "1" at 188.48,82.4 h0.8; PIN_NUMBER "2" at 188.51,80.6 h0.8
C924: PIN_NUMBER "1" at 361.98,79.9 h0.8; PIN_NUMBER "2" at 362.01,78.1 h0.8
C925: PIN_NUMBER "1" at 333.98,79.9 h0.8; PIN_NUMBER "2" at 334.01,78.1 h0.8
C926: PIN_NUMBER "1" at 309.98,79.9 h0.8; PIN_NUMBER "2" at 310.01,78.1 h0.8
C927: PIN_NUMBER "1" at 285.98,79.9 h0.8; PIN_NUMBER "2" at 286.01,78.1 h0.8
C928: PIN_NUMBER "1" at 261.98,79.9 h0.8; PIN_NUMBER "2" at 262.01,78.1 h0.8
C929: PIN_NUMBER "1" at 237.98,79.9 h0.8; PIN_NUMBER "2" at 238.01,78.1 h0.8
C930: PIN_NUMBER "1" at 213.98,79.9 h0.8; PIN_NUMBER "2" at 214.01,78.1 h0.8
C931: PIN_NUMBER "1" at 356.74,78.1 h0.8 r180; PIN_NUMBER "2" at 356.71,79.9 h0.8 r180
C932: PIN_NUMBER "1" at 336.74,78.1 h0.8 r180; PIN_NUMBER "2" at 336.71,79.9 h0.8 r180
C933: PIN_NUMBER "1" at 312.74,78.1 h0.8 r180; PIN_NUMBER "2" at 312.71,79.9 h0.8 r180
C934: PIN_NUMBER "1" at 288.74,78.1 h0.8 r180; PIN_NUMBER "2" at 288.71,79.9 h0.8 r180
C935: PIN_NUMBER "1" at 264.74,78.1 h0.8 r180; PIN_NUMBER "2" at 264.71,79.9 h0.8 r180
C936: PIN_NUMBER "1" at 240.74,78.1 h0.8 r180; PIN_NUMBER "2" at 240.71,79.9 h0.8 r180
C937: PIN_NUMBER "1" at 216.74,78.1 h0.8 r180; PIN_NUMBER "2" at 216.71,79.9 h0.8 r180
C938: PIN_NUMBER "1" at 345.72,73.23 h0.8 r180; PIN_NUMBER "2" at 345.66,74.38 h0.8 r180
C939: PIN_NUMBER "1" at 321.72,73.23 h0.8 r180; PIN_NUMBER "2" at 321.66,74.38 h0.8 r180
C940: PIN_NUMBER "1" at 297.72,73.23 h0.8 r180; PIN_NUMBER "2" at 297.66,74.38 h0.8 r180
C941: PIN_NUMBER "1" at 273.72,73.23 h0.8 r180; PIN_NUMBER "2" at 273.66,74.38 h0.8 r180
C942: PIN_NUMBER "1" at 249.72,73.23 h0.8 r180; PIN_NUMBER "2" at 249.66,74.38 h0.8 r180
C943: PIN_NUMBER "1" at 225.72,73.23 h0.8 r180; PIN_NUMBER "2" at 225.66,74.38 h0.8 r180
C944: PIN_NUMBER "1" at 205,73.77 h0.8; PIN_NUMBER "2" at 205.06,72.62 h0.8
C945: PIN_NUMBER "1" at 192.47,73.23 h0.8 r180; PIN_NUMBER "2" at 192.41,74.38 h0.8 r180
C946: PIN_NUMBER "1" at 191.47,73.23 h0.8 r180; PIN_NUMBER "2" at 191.41,74.38 h0.8 r180
C947: PIN_NUMBER "1" at 188.47,73.23 h0.8 r180; PIN_NUMBER "2" at 188.41,74.38 h0.8 r180
C948: PIN_NUMBER "1" at 361,69.77 h0.8; PIN_NUMBER "2" at 361.06,68.62 h0.8
C949: PIN_NUMBER "1" at 357.72,69.23 h0.8 r180; PIN_NUMBER "2" at 357.66,70.38 h0.8 r180
C950: PIN_NUMBER "1" at 337,69.77 h0.8; PIN_NUMBER "2" at 337.06,68.62 h0.8
C951: PIN_NUMBER "1" at 333.72,69.23 h0.8 r180; PIN_NUMBER "2" at 333.66,70.38 h0.8 r180
C952: PIN_NUMBER "1" at 313,69.77 h0.8; PIN_NUMBER "2" at 313.06,68.62 h0.8
C953: PIN_NUMBER "1" at 309.72,69.23 h0.8 r180; PIN_NUMBER "2" at 309.66,70.38 h0.8 r180
C954: PIN_NUMBER "1" at 289,69.77 h0.8; PIN_NUMBER "2" at 289.06,68.62 h0.8
C955: PIN_NUMBER "1" at 285.72,69.23 h0.8 r180; PIN_NUMBER "2" at 285.66,70.38 h0.8 r180
C956: PIN_NUMBER "1" at 265,69.77 h0.8; PIN_NUMBER "2" at 265.06,68.62 h0.8
C957: PIN_NUMBER "1" at 261.72,69.23 h0.8 r180; PIN_NUMBER "2" at 261.66,70.38 h0.8 r180
C958: PIN_NUMBER "1" at 241,69.77 h0.8; PIN_NUMBER "2" at 241.06,68.62 h0.8
C959: PIN_NUMBER "1" at 237.72,69.23 h0.8 r180; PIN_NUMBER "2" at 237.66,70.38 h0.8 r180
C960: PIN_NUMBER "1" at 217,69.77 h0.8; PIN_NUMBER "2" at 217.06,68.62 h0.8
C961: PIN_NUMBER "1" at 213.72,69.23 h0.8 r180; PIN_NUMBER "2" at 213.66,70.38 h0.8 r180
C962: PIN_NUMBER "1" at 186.13,68.61 h0.8 r270; PIN_NUMBER "2" at 184.98,68.55 h0.8 r270
C963: PIN_NUMBER "1" at 360.97,66.73 h0.8 r180; PIN_NUMBER "2" at 360.91,67.88 h0.8 r180
C964: PIN_NUMBER "1" at 357.75,67.27 h0.8; PIN_NUMBER "2" at 357.81,66.12 h0.8
C965: PIN_NUMBER "1" at 336.97,66.73 h0.8 r180; PIN_NUMBER "2" at 336.91,67.88 h0.8 r180
C966: PIN_NUMBER "1" at 333.75,67.27 h0.8; PIN_NUMBER "2" at 333.81,66.12 h0.8
C967: PIN_NUMBER "1" at 312.97,66.73 h0.8 r180; PIN_NUMBER "2" at 312.91,67.88 h0.8 r180
C968: PIN_NUMBER "1" at 309.75,67.27 h0.8; PIN_NUMBER "2" at 309.81,66.12 h0.8
C969: PIN_NUMBER "1" at 288.97,66.73 h0.8 r180; PIN_NUMBER "2" at 288.91,67.88 h0.8 r180
C970: PIN_NUMBER "1" at 285.75,67.27 h0.8; PIN_NUMBER "2" at 285.81,66.12 h0.8
C971: PIN_NUMBER "1" at 264.97,66.73 h0.8 r180; PIN_NUMBER "2" at 264.91,67.88 h0.8 r180
C972: PIN_NUMBER "1" at 261.75,67.27 h0.8; PIN_NUMBER "2" at 261.81,66.12 h0.8
C973: PIN_NUMBER "1" at 240.97,66.73 h0.8 r180; PIN_NUMBER "2" at 240.91,67.88 h0.8 r180
C974: PIN_NUMBER "1" at 237.75,67.27 h0.8; PIN_NUMBER "2" at 237.81,66.12 h0.8
C975: PIN_NUMBER "1" at 216.97,66.73 h0.8 r180; PIN_NUMBER "2" at 216.91,67.88 h0.8 r180
C976: PIN_NUMBER "1" at 213.75,67.27 h0.8; PIN_NUMBER "2" at 213.81,66.12 h0.8
C977: PIN_NUMBER "1" at 361,64.77 h0.8; PIN_NUMBER "2" at 361.06,63.62 h0.8
C978: PIN_NUMBER "1" at 357.72,64.23 h0.8 r180; PIN_NUMBER "2" at 357.66,65.38 h0.8 r180
C979: PIN_NUMBER "1" at 337,64.77 h0.8; PIN_NUMBER "2" at 337.06,63.62 h0.8
C980: PIN_NUMBER "1" at 333.72,64.23 h0.8 r180; PIN_NUMBER "2" at 333.66,65.38 h0.8 r180
C981: PIN_NUMBER "1" at 313,64.77 h0.8; PIN_NUMBER "2" at 313.06,63.62 h0.8
C982: PIN_NUMBER "1" at 309.72,64.23 h0.8 r180; PIN_NUMBER "2" at 309.66,65.38 h0.8 r180
C983: PIN_NUMBER "1" at 289,64.77 h0.8; PIN_NUMBER "2" at 289.06,63.62 h0.8
C984: PIN_NUMBER "1" at 285.72,64.23 h0.8 r180; PIN_NUMBER "2" at 285.66,65.38 h0.8 r180
C985: PIN_NUMBER "1" at 265,64.77 h0.8; PIN_NUMBER "2" at 265.06,63.62 h0.8
C986: PIN_NUMBER "1" at 261.72,64.23 h0.8 r180; PIN_NUMBER "2" at 261.66,65.38 h0.8 r180
C987: PIN_NUMBER "1" at 241,64.77 h0.8; PIN_NUMBER "2" at 241.06,63.62 h0.8
C988: PIN_NUMBER "1" at 237.72,64.23 h0.8 r180; PIN_NUMBER "2" at 237.66,65.38 h0.8 r180
C989: PIN_NUMBER "1" at 217,64.77 h0.8; PIN_NUMBER "2" at 217.06,63.62 h0.8
C990: PIN_NUMBER "1" at 213.72,64.23 h0.8 r180; PIN_NUMBER "2" at 213.66,65.38 h0.8 r180
C991: PIN_NUMBER "1" at 193.75,63.77 h0.8; PIN_NUMBER "2" at 193.81,62.62 h0.8
C993: PIN_NUMBER "1" at 369.72,58.23 h0.8 r180; PIN_NUMBER "2" at 369.66,59.38 h0.8 r180
C994: PIN_NUMBER "1" at 345.72,58.23 h0.8 r180; PIN_NUMBER "2" at 345.66,59.38 h0.8 r180
C995: PIN_NUMBER "1" at 321.72,58.23 h0.8 r180; PIN_NUMBER "2" at 321.66,59.38 h0.8 r180
C996: PIN_NUMBER "1" at 297.72,58.23 h0.8 r180; PIN_NUMBER "2" at 297.66,59.38 h0.8 r180
C997: PIN_NUMBER "1" at 273.72,58.23 h0.8 r180; PIN_NUMBER "2" at 273.66,59.38 h0.8 r180
C998: PIN_NUMBER "1" at 249.72,58.23 h0.8 r180; PIN_NUMBER "2" at 249.66,59.38 h0.8 r180
C999: PIN_NUMBER "1" at 225.72,58.23 h0.8 r180; PIN_NUMBER "2" at 225.66,59.38 h0.8 r180
C1000: PIN_NUMBER "1" at 362.98,55.9 h0.8; PIN_NUMBER "2" at 363.01,54.1 h0.8
C1001: PIN_NUMBER "1" at 338.98,55.9 h0.8; PIN_NUMBER "2" at 339.01,54.1 h0.8
C1002: PIN_NUMBER "1" at 314.98,55.9 h0.8; PIN_NUMBER "2" at 315.01,54.1 h0.8
C1003: PIN_NUMBER "1" at 290.98,55.9 h0.8; PIN_NUMBER "2" at 291.01,54.1 h0.8
C1004: PIN_NUMBER "1" at 266.98,55.9 h0.8; PIN_NUMBER "2" at 267.01,54.1 h0.8
C1005: PIN_NUMBER "1" at 254.98,55.9 h0.8; PIN_NUMBER "2" at 255.01,54.1 h0.8
C1006: PIN_NUMBER "1" at 243.98,55.9 h0.8; PIN_NUMBER "2" at 244.01,54.1 h0.8
C1007: PIN_NUMBER "1" at 339.09,43.11 h0.8 r90; PIN_NUMBER "2" at 340.24,43.05 h0.8 r90
C1008: PIN_NUMBER "1" at 190.63,54.61 h0.8 r270; PIN_NUMBER "2" at 189.48,54.55 h0.8 r270
C1009: PIN_NUMBER "1" at 207.531,53.617 h0.8; PIN_NUMBER "2" at 207.591,52.467 h0.8
C1011: PIN_NUMBER "1" at 205.96,42.48 h0.8 r270; PIN_NUMBER "2" at 202.76,42.5 h0.8 r270
C1012: PIN_NUMBER "1" at 238.76,51.52 h0.8 r90; PIN_NUMBER "2" at 241.96,51.5 h0.8 r90
C1013: PIN_NUMBER "1" at 232.76,35.52 h0.8 r90; PIN_NUMBER "2" at 235.96,35.5 h0.8 r90
C1014: PIN_NUMBER "1" at 241.96,38.48 h0.8 r270; PIN_NUMBER "2" at 238.76,38.5 h0.8 r270
C1015: PIN_NUMBER "1" at 267.76,47.52 h0.8 r90; PIN_NUMBER "2" at 270.96,47.5 h0.8 r90
C1016: PIN_NUMBER "1" at 267.76,35.52 h0.8 r90; PIN_NUMBER "2" at 270.96,35.5 h0.8 r90
C1017: PIN_NUMBER "1" at 276.96,38.48 h0.8 r270; PIN_NUMBER "2" at 273.76,38.5 h0.8 r270
C1018: PIN_NUMBER "1" at 309.76,51.52 h0.8 r90; PIN_NUMBER "2" at 312.96,51.5 h0.8 r90
C1019: PIN_NUMBER "1" at 303.76,35.52 h0.8 r90; PIN_NUMBER "2" at 306.96,35.5 h0.8 r90
C1020: PIN_NUMBER "1" at 312.96,38.48 h0.8 r270; PIN_NUMBER "2" at 309.76,38.5 h0.8 r270
C1021: PIN_NUMBER "1" at 345.76,51.52 h0.8 r90; PIN_NUMBER "2" at 348.96,51.5 h0.8 r90
C1022: PIN_NUMBER "1" at 339.76,35.52 h0.8 r90; PIN_NUMBER "2" at 342.96,35.5 h0.8 r90
C1023: PIN_NUMBER "1" at 348.96,38.48 h0.8 r270; PIN_NUMBER "2" at 345.76,38.5 h0.8 r270
C1024: PIN_NUMBER "1" at 375.76,47.52 h0.8 r90; PIN_NUMBER "2" at 378.96,47.5 h0.8 r90
C1025: PIN_NUMBER "1" at 375.76,35.52 h0.8 r90; PIN_NUMBER "2" at 378.96,35.5 h0.8 r90
D1: PIN_NUMBER "1" at 240.65,232.3 h0.8 r270; PIN_NUMBER "2" at 240.64,230.6 h0.8 r270
D2: PIN_NUMBER "1" at 256.65,232.3 h0.8 r270; PIN_NUMBER "2" at 256.64,230.6 h0.8 r270
D3: PIN_NUMBER "1" at 301.65,232.3 h0.8 r270; PIN_NUMBER "2" at 301.64,230.6 h0.8 r270
D4: PIN_NUMBER "1" at 317.65,232.3 h0.8 r270; PIN_NUMBER "2" at 317.64,230.6 h0.8 r270
D5: PIN_NUMBER "1" at 362.65,232.3 h0.8 r270; PIN_NUMBER "2" at 362.64,230.6 h0.8 r270
D6: PIN_NUMBER "1" at 378.65,232.3 h0.8 r270; PIN_NUMBER "2" at 378.64,230.6 h0.8 r270
D7: PIN_NUMBER "1" at 182.06,150.29 h0.8; PIN_NUMBER "2" at 183.76,150.28 h0.8
D8: PIN_NUMBER "2" at 183.76,147.28 h0.8; PIN_NUMBER "1" at 182.06,147.29 h0.8
D9: PIN_NUMBER "2" at 183.76,144.28 h0.8; PIN_NUMBER "1" at 182.06,144.29 h0.8
D10: PIN_NUMBER "1" at 182.06,141.29 h0.8; PIN_NUMBER "2" at 183.76,141.28 h0.8
D11: PIN_NUMBER "1" at 182.06,138.29 h0.8; PIN_NUMBER "2" at 183.76,138.28 h0.8
D12: PIN_NUMBER "1" at 182.06,135.29 h0.8; PIN_NUMBER "2" at 183.76,135.28 h0.8
D13: PIN_NUMBER "1" at 182.06,132.29 h0.8; PIN_NUMBER "2" at 183.76,132.28 h0.8
D14: PIN_NUMBER "1" at 182.06,129.29 h0.8; PIN_NUMBER "2" at 183.76,129.28 h0.8
D15: PIN_NUMBER "3" at 181.17,105.88 h0.8 r270; PIN_NUMBER "1" at 183.55,104.93 h0.8 r270; PIN_NUMBER "2" at 183.55,106.85 h0.8 r270
D16: PIN_NUMBER "1" at 345.15,210.2 h0.8 r270; PIN_NUMBER "2" at 345.14,211.9 h0.8 r270
D17: PIN_NUMBER "1" at 321.15,210.2 h0.8 r270; PIN_NUMBER "2" at 321.14,211.9 h0.8 r270
D18: PIN_NUMBER "1" at 297.15,210.2 h0.8 r270; PIN_NUMBER "2" at 297.14,211.9 h0.8 r270
D19: PIN_NUMBER "1" at 273.15,210.2 h0.8 r270; PIN_NUMBER "2" at 273.14,211.9 h0.8 r270
D20: PIN_NUMBER "1" at 249.15,210.2 h0.8 r270; PIN_NUMBER "2" at 249.14,211.9 h0.8 r270
D21: PIN_NUMBER "1" at 225.15,210.2 h0.8 r270; PIN_NUMBER "2" at 225.14,211.9 h0.8 r270
D22: PIN_NUMBER "1" at 369.15,186.2 h0.8 r270; PIN_NUMBER "2" at 369.14,187.9 h0.8 r270
D23: PIN_NUMBER "1" at 345.15,186.2 h0.8 r270; PIN_NUMBER "2" at 345.14,187.9 h0.8 r270